# KiCad board ECB-4PIO.kicad_pcb (continued)
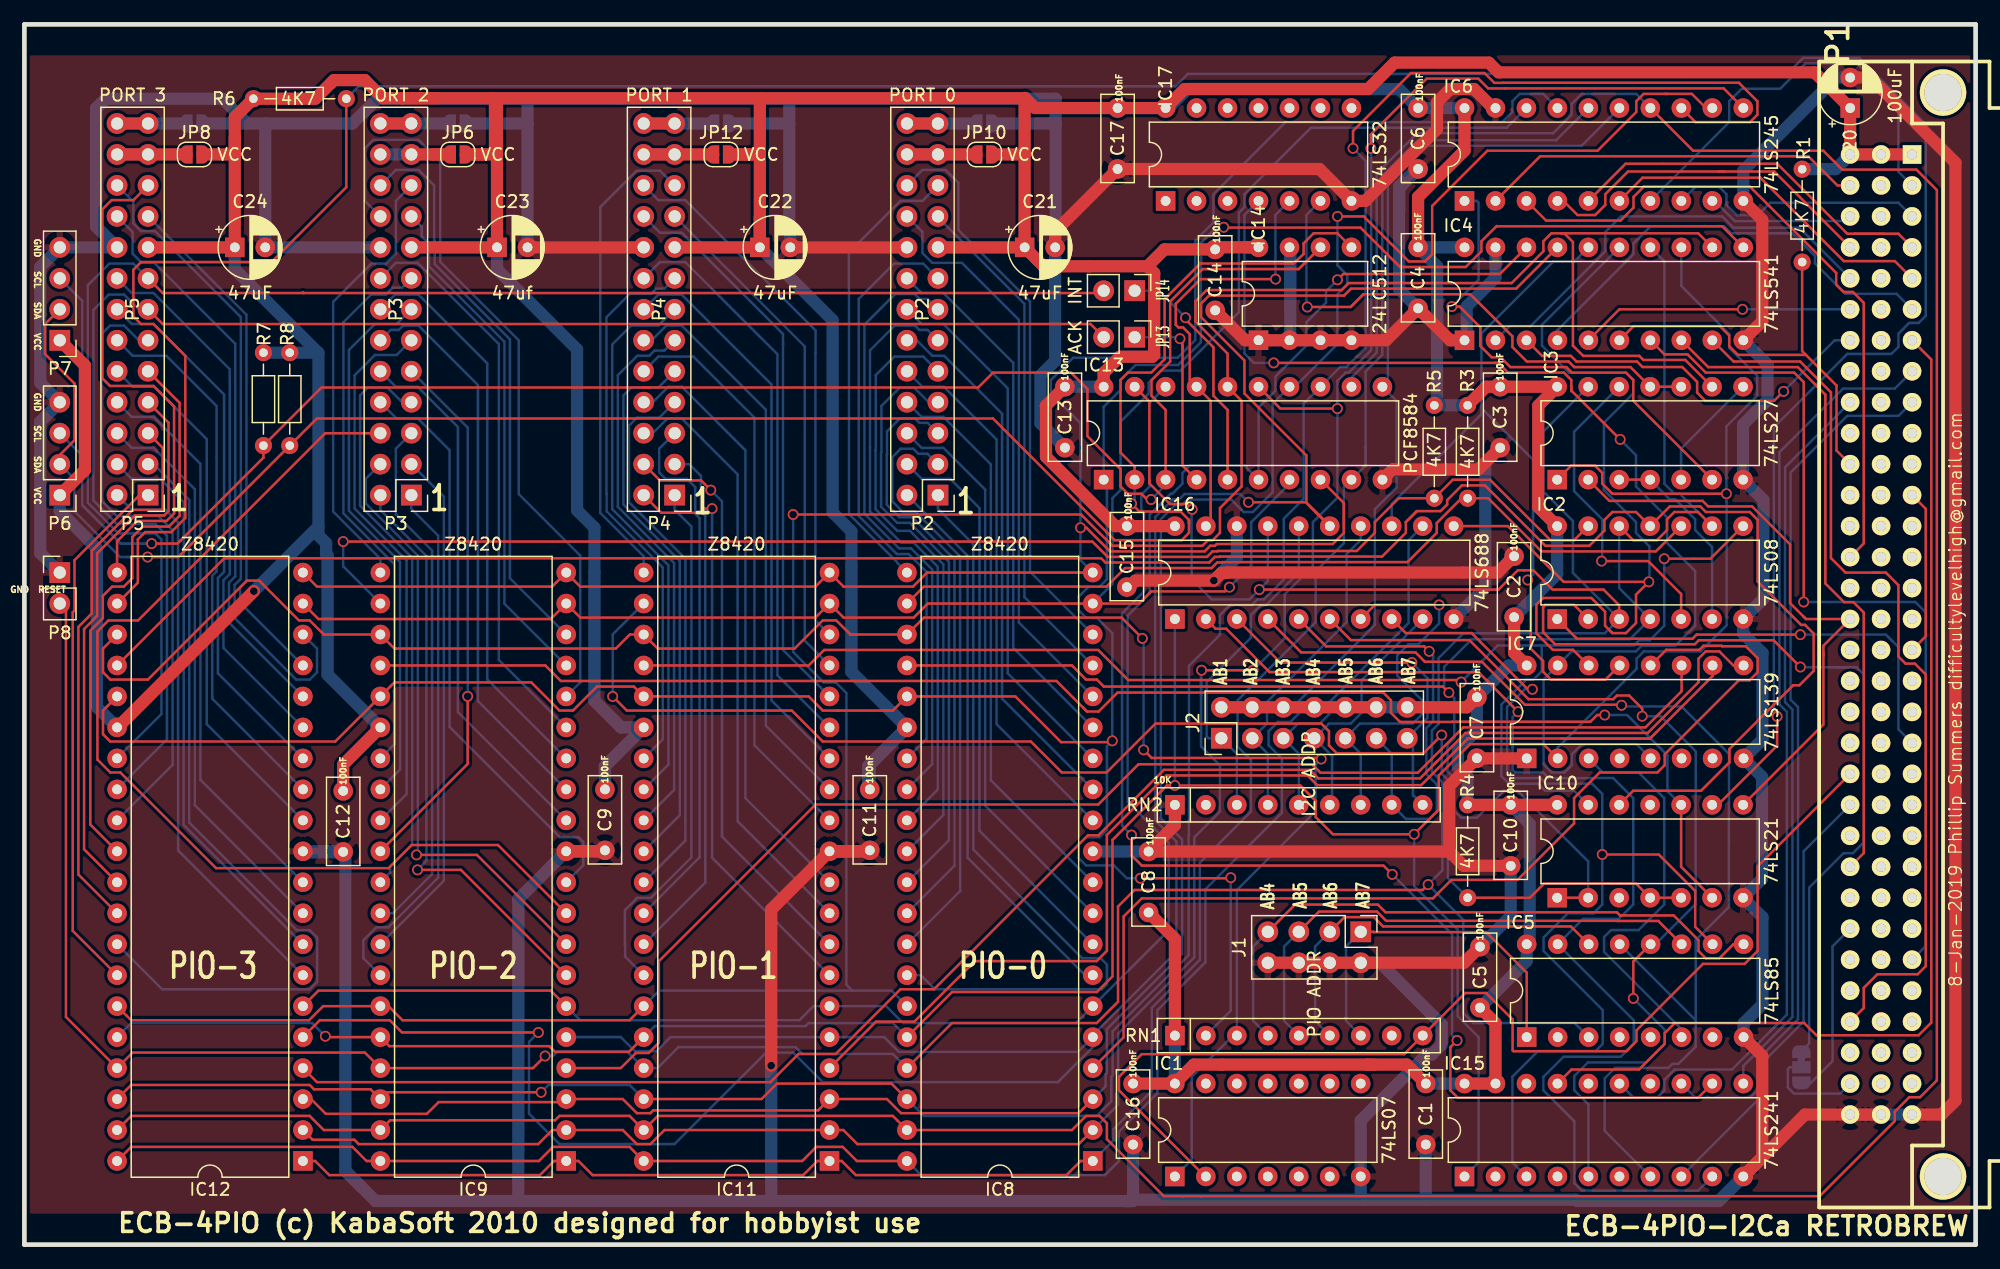
[diagram p0: board, top side]
## Routing (per net, layer and track width the routed paths; a pad name or vN(x,y) marks a point on that pad's centre or on a via; arc(x,y) is an arc through that point) (continued)
  Vorderseite w1.016: v1(18.81,53.59) 7.64,42.42 IC12.26
  Rückseite w1: C11.1 69.32,39.37 IC8.26 ; C13.1 IC13.20 ; IC6.20 C6.1 112.73,94.77 95.37,94.77 93.82,93.22 IC17.14 ; C4.1 118.09,81.79 IC4.20 ; C4.1 115.84,80.24 ; C4.1 114.29,81.79 ; C2.1 125.69,54.99 IC2.14 ; IC12.26 5.95,44.07 5.95,57.09 2.9,60.13 P6.1 ; J2.12 113.39,44.07 ; C23.1 38.76,79.99 45.32,73.42 45.32,60.22 46.74,58.8 46.74,55.12 ; 115.84,80.24 115.84,69.06 R5.1 ; 115.84,80.24 115.84,75.47 ; 94.09,16.89 RN1.1 94.34,17.14 IC1.14 ; IC7.16 121.71,47.5 C7.1 119.11,42.19 117.55,40.64 117.55,39.15 118.34,38.36 R4.1 ; 24.74,56.64 24.74,57.53 24.11,58.17 24.11,58.89 ; C24.1 17.25,79.99 24.11,73.13 ; 24.11,58.89 24.11,73.13 ; 24.11,58.89 20.68,55.46 ; 24.11,73.13 24.09,73.15 R7.1 ; R5.1 R3.1 ; R5.1 115.84,69.12 ; R1.1 148.5,88.2 P1.C1 ; C5.1 123.19,23.26 IC5.16 123.43,24.88 123.43,34.51 C10.1 ; IC15.20 118.09,13.21 C1.1 ; C22.1 66.28,75.82 66.28,60.04 67.82,58.5 67.82,55.62
  Rückseite w1.016: 24.74,56.64 24.86,56.53 24.86,46.75 IC9.26 ; 20.68,55.46 v1(18.81,53.59) ; 69.19,37.34 69.19,39.24 IC8.26 67.82,46.97 67.82,55.62 ; 46.74,55.12 46.74,44.6 48.92,42.42 IC11.26 47.6,39.24 C9.1
/0A0: length 44.2
  Rückseite w0.203: P2.16 73.58,78.04 75.36,78.04 81.09,72.32 81.09,48.94 IC8.15
/0A1: length 44.2
  Rückseite w0.203: P2.14 73.58,75.5 75.36,75.5 80.63,70.23 80.63,46.86 IC8.14
/0A2: length 44.2
  Rückseite w0.203: IC8.13 80.17,44.78 80.17,68.15 75.42,72.9 74.45,72.9 73.18,74.17 P2.12
/0A3: length 44.2
  Rückseite w0.203: IC8.12 79.71,42.69 79.71,66.03 75.39,70.36 73.64,70.36 P2.10
/0A4: length 46.7
  Rückseite w0.203: IC8.10 79.25,38.08 79.25,63.99 75.36,67.88 73.58,67.88 P2.8
/0A5: length 46.7
  Rückseite w0.203: P2.6 73.58,65.34 75.36,65.34 78.79,61.92 78.79,36 IC8.9
/0A6: length 47.1
  Rückseite w0.203: IC8.8 78.32,33.93 78.32,60.4 75.92,62.8 73.58,62.8 P2.4
/0A7: length 46.1
  Rückseite w0.203: P2.2 77.35,56.49 77.35,31.73 86.97,22.1 IC8.7
/0ARDY: length 46.8
  Rückseite w0.203: P2.22 73.64,88.14 75.55,88.14 76.59,87.09 76.59,83.21 82.46,77.35 82.46,55.19 IC8.18
/0ASTB: length 47.1
  Rückseite w0.203: IC8.16 81.54,51.03 81.54,75.86 76.88,80.52 74.44,80.52 73.64,81.32 73.64,83.06 P2.20
/0B0: length 49.4
  Rückseite w0.203: IC8.27 73.98,41.49 73.98,55.17 72.52,56.63 71.54,56.63 68.41,59.76 68.41,77.56 71.3,80.45 73.7,80.45 P2.15
/0B1: length 49.4
  Rückseite w0.203: IC8.28 74.44,39.41 74.44,55.37 72.71,57.1 71.72,57.1 68.88,59.94 68.88,75.44 71.41,77.97 73,77.97 73.41,77.56 74.06,77.56 P2.13
/0B2: length 49.4
  Rückseite w0.203: P2.11 74.06,75.02 73.39,75.02 73.03,75.37 71.37,75.37 69.34,73.35 69.34,65.35 69.34,65.34 69.34,60.13 71.9,57.57 72.92,57.57 74.9,55.59 74.9,37.33 IC8.29
/0B3: length 49.4
  Rückseite w0.203: P2.9 73.7,72.83 71.34,72.83 69.81,71.3 69.81,65.17 69.79,65.15 69.79,60.32 71.57,58.54 72.61,58.54 75.35,55.8 75.35,35.24 IC8.30
/0B4: length 49.2
  Rückseite w0.203: IC8.31 75.81,33.16 75.81,56 72.61,59.2 71.56,59.2 70.25,60.51 70.25,64.97 70.27,64.99 70.27,68.77 71.79,70.29 72.95,70.29 74.15,69.09 P2.7
/0B5: length 49.2
  Rückseite w0.203: IC8.32 76.27,31.08 76.27,56.2 72.82,59.65 71.75,59.65 70.71,60.7 70.71,64.78 70.74,64.81 70.74,66.7 71.79,67.75 73.03,67.75 73.39,67.4 74.06,67.4 P2.5
/0B6: length 49.2
  Rückseite w0.203: IC8.33 76.73,28.99 76.73,56.45 73.06,60.11 72.02,60.11 71.16,60.96 71.16,64.59 71.86,65.28 72.89,65.28 73.31,64.86 74.06,64.86 P2.3
/0B7: length 63.8
  Rückseite w0.203: P2.1 74.91,60.34 77.81,57.44 77.81,32.4 86.73,23.48 88.26,23.48 88.77,22.97 88.77,21.36 88.35,20.94 74.66,20.94 73.5,22.1 IC8.34
/0BRDY: length 37.8
  Rückseite w0.203: P2.21 73.64,85.6 71.84,85.6 67.62,81.38 67.62,59.91 71.57,55.96 71.57,55.92 IC8.21
/0BSTB: length 42.1
  Rückseite w0.203: IC8.17 82,53.11 82,77.16 74.91,84.25 P2.19
/1A0: length 47
  Rückseite w0.203: P4.16 52.11,80.58 54.19,80.58 61.75,73.03 61.75,46.69 IC11.15
/1A1: length 46.7
  Rückseite w0.203: IC11.14 61.26,44.64 61.26,70.55 53.9,77.91 51.99,77.91 P4.14
/1A2: length 46.7
  Rückseite w0.203: P4.12 51.43,74.17 52.63,75.37 53.9,75.37 60.8,68.47 60.8,42.56 IC11.13
/1A3: length 47.2
  Rückseite w0.203: IC11.12 59.87,40.95 59.87,67.82 54.85,72.83 51.99,72.83 P4.10
/1A4: length 49.3
  Rückseite w0.203: IC11.10 59.12,36.61 59.12,65.15 53.92,70.36 52.81,70.36 51.54,69.09 P4.8
/1A5: length 49.2
  Rückseite w0.203: IC11.9 58.49,34.71 58.49,63.17 53.9,67.75 52.73,67.75 51.53,66.55 P4.6
/1A6: length 47.7
  Vorderseite w0.203: v1(56.28,61.88) 55.49,62.67 52.11,62.67 P4.4
  Rückseite w0.203: v1(56.28,61.88) 57.2,60.96 57.2,33.45 IC11.8
/1A7: length 48.6
  Vorderseite w0.203: P4.2 52.23,60.02 55.42,60.02 55.76,60.36 v1(56.39,60.36)
  Rückseite w0.203: IC11.7 56.39,31.73 v1(56.39,60.36)
/1ARDY: length 44.4
  Rückseite w0.203: P4.22 51.99,85.66 54.19,85.66 64.88,74.98 64.88,73.15 64.86,73.14 64.86,51.19 IC11.18
/1ASTB: length 46.8
  Rückseite w0.203: 62.21,73.79 62.21,73.9 ; 62.21,73.79 62.21,48.77 IC11.16 ; 62.21,73.79 62.21,74.68 53.9,82.99 52.11,82.99 P4.20
/1B0: length 45.7
  Rückseite w0.203: P4.15 52.47,78.4 51.81,78.4 51.39,77.98 49.65,77.98 47.73,76.06 47.73,61.6 47.75,61.58 47.75,60.13 52.35,55.53 52.35,41.45 IC11.27
/1B1: length 45.5
  Rückseite w0.203: IC11.28 52.81,39.37 52.81,55.71 48.2,60.32 48.2,73.82 49.76,75.37 51.99,75.37 P4.13
/1B2: length 45.3
  Rückseite w0.203: IC11.29 53.28,37.29 53.28,55.89 48.66,60.51 48.66,71.3 50.26,72.9 51.25,72.9 51.67,73.32 52.47,73.32 P4.11
/1B3: length 45.6
  Rückseite w0.203: P4.9 51.99,70.29 49.77,70.29 49.12,69.65 49.12,60.7 53.74,56.08 53.74,35.22 IC11.30
/1B4: length 46.3
  Rückseite w0.203: 50.78,59.68 54.21,56.26 54.21,33.14 IC11.31 ; 50.78,59.68 49.57,60.89 49.57,67.16 50.23,67.82 52.05,67.82 P4.7 ; 50.78,59.68 50.12,60.34
/1B5: length 44.2
  Rückseite w0.203: IC11.32 55.37,31.77 55.37,59.57 55.01,59.92 55.01,62.12 54.33,62.8 52.58,62.8 52.05,63.33 52.05,65.28 P4.5
/1B6: length 43.2
  Rückseite w0.203: P4.3 54.52,64.01 55.48,63.05 55.48,60.12 55.83,59.76 55.83,29.69 IC11.33
/1B7: length 43.5
  Rückseite w0.203: IC11.34 49.26,23.62 49.26,24.63 49.24,24.64 49.24,27.43 50.26,28.45 51.39,28.45 54.69,31.76 54.69,58.9 53.32,60.27 P4.1
/1BRDY: length 39.3
  Rückseite w0.203: P4.21 52.11,88.07 50.2,88.07 47.22,85.1 47.22,60.01 50.78,56.45 IC11.21
/1BSTB: length 42.1
  Rückseite w0.203: P4.19 63.99,73.66 63.99,49.53 IC11.17
/2A0: length 46.7
  Rückseite w0.203: IC9.15 38.9,47.95 38.9,73.86 32.24,80.52 30.46,80.52 P3.16
/2A1: length 46.7
  Rückseite w0.203: P3.14 30.4,77.91 32.31,77.91 37.96,72.26 37.96,46.35 IC9.14
/2A2: length 46.7
  Rückseite w0.203: IC9.13 37.19,44.58 37.19,70.49 32.31,75.37 31.06,75.37 30.7,75.02 30.04,75.02 P3.12
/2A3: length 44.2
  Rückseite w0.203: IC9.12 35.55,43.68 35.55,67.05 32.24,70.36 30.46,70.36 P3.10
/2A4: length 48.8
  Rückseite w0.203: IC9.10 45.83,31.12 45.83,33.02 45.43,33.41 43.91,33.41 34.87,42.46 34.87,65.16 32.27,67.75 30.52,67.75 P3.8
/2A5: length 85.7
  Vorderseite w0.203: IC9.9 38.84,32.77 31.76,32.77 29.86,30.87 15.72,30.87 7.87,38.72 7.05,38.72 5.99,39.78 5.99,50.28 6.9,51.19 9.32,51.19 24.67,66.55 P3.6
/2A6: length 49.7
  Vorderseite w0.203: IC9.8 37.1,31.96 v1(32.15,31.96)
  Rückseite w0.203: P3.4 27.98,62.8 27.98,60.79 32.27,56.51 32.27,32.08 v1(32.15,31.96)
/2A7: length 48.4
  Vorderseite w0.203: IC9.7 35.79,30.73 v1(32.24,30.73)
  Rückseite w0.203: P3.2 29.19,60.25 32.96,56.48 32.96,31.46 v1(32.24,30.73)
/2ARDY: length 46.8
  Rückseite w0.203: IC9.18 39.82,54.65 39.82,74.24 33.64,80.41 33.64,82.28 33.6,82.32 33.6,86.87 32.33,88.14 30.46,88.14 P3.22
/2ASTB: length 62.4
  Rückseite w0.203: IC9.16 45.59,46.11 45.59,56.5 40.53,61.55 40.53,74.17 34.1,80.6 34.1,88.82 32.31,90.61 28.61,90.61 27.93,89.93 27.93,85.59 P3.20
/2B0: length 45
  Rückseite w0.203: P3.15 30.97,78.49 30.21,78.49 29.64,77.91 28.43,77.91 26.16,75.64 26.16,59.98 30.35,55.79 30.35,41.03 IC9.27
/2B1: length 44.9
  Rückseite w0.203: IC9.28 30.8,38.95 30.8,55.99 26.61,60.18 26.61,73.38 28.74,75.5 30.52,75.5 P3.13
/2B2: length 45
  Rückseite w0.203: IC9.29 31.34,36.94 31.34,56.12 27.07,60.39 27.07,71.29 28.74,72.96 30.52,72.96 P3.11
/2B3: length 44.2
  Vorderseite w0.203: v1(36.35,44.97) 36.35,39.42 IC9.30
  Rückseite w0.203: P3.9 36.35,67.01 v1(36.35,44.97)
/2B4: length 47.8
  Rückseite w0.203: P3.7 30.97,69.09 29.77,70.29 28.17,70.29 27.53,69.66 27.53,60.6 31.8,56.33 31.8,32.81 29.99,31 29.99,30.52 IC9.31
/2B5: length 43.5
  Rückseite w0.203: P3.5 30.46,65.28 30.46,59.9 33.43,56.93 33.43,30.39 30.22,27.18 IC9.32
/2B6: length 42.6
  Rückseite w0.203: P3.3 34.39,61.34 34.39,29.84 IC9.33
/2B7: length 44
  Rückseite w0.203: IC9.34 27.79,23.5 27.79,24.95 28.86,26.02 29.86,26.02 33.93,30.1 33.93,58.14 31.73,60.34 P3.1
/2BRDY: length 36.7
  Rückseite w0.203: P3.21 30.46,85.6 30.46,81.27 29.64,80.45 28.46,80.45 25.32,77.32 25.32,60.12 29.19,56.25 IC9.21
/2BSTB: length 42.1
  Rückseite w0.203: P3.19 32.58,83.48 32.58,82.69 33.19,82.09 33.19,80.22 39.36,74.05 39.36,52.57 IC9.17
/3A0: length 44.6
  Rückseite w0.203: IC12.15 16.32,48.93 16.32,54.49 16.83,54.99 16.83,71.8 10.59,78.04 8.81,78.04 P5.16
/3A1: length 44.6
  Rückseite w0.203: P5.14 8.81,75.5 10.59,75.5 16.38,69.72 16.38,55.18 15.87,54.67 15.87,46.85 IC12.14
/3A2: length 45.1
  Rückseite w0.203: P5.12 8.87,72.9 11.64,72.9 15.75,68.78 15.75,55.21 15.41,54.86 15.41,44.77 IC12.13
/3A3: length 44.2
  Rückseite w0.203: P5.10 8.87,70.36 10.65,70.36 14.95,66.06 14.95,42.68 IC12.12
/3A4: length 46.7
  Rückseite w0.203: IC12.10 14.43,38.13 14.43,64.04 10.59,67.88 8.81,67.88 P5.8
/3A5: length 46.7
  Rückseite w0.203: P5.6 8.81,65.34 10.59,65.34 13.98,61.96 13.98,36.04 IC12.9
/3A6: length 47.1
  Rückseite w0.203: P5.4 8.81,62.8 11.15,62.8 13.06,60.89 13.06,34.42 IC12.8
/3A7: length 47.3
  Rückseite w0.203: P5.2 8.81,60.26 11.57,60.26 12.6,59.23 12.6,32.33 IC12.7
/3ARDY: length 53.2
  Rückseite w0.203: IC12.18 24,48.88 24,46.94 23.39,46.34 22.29,46.34 17.24,51.39 17.24,54.11 17.75,54.61 17.75,76.07 10.7,83.12 9.56,83.12 8.93,83.75 8.93,85.53 P5.22
/3ASTB: length 46.7
  Rückseite w0.203: P5.20 8.87,83.06 8.87,81.27 9.62,80.52 10.65,80.52 17.29,73.88 17.29,54.8 16.78,54.3 16.78,51.02 IC12.16
/3B0: length 129.8
  Vorderseite w0.203: 22.9,78.04 88.31,78.04 88.5,78.23 ; 22.9,78.04 22.84,78.11 ; 22.9,78.04 11.35,78.04 P5.15
  Rückseite w0.203: IC12.27 11.23,43.51 11.23,57.83 10.74,58.33 7.71,58.33 5.2,60.84 5.2,78.69 6.96,80.45 8.93,80.45 P5.15
/3B1: length 130.2
  Vorderseite w0.203: P5.13 11.35,75.5 87.42,75.5 88.5,74.42
  Rückseite w0.203: P5.13 9.39,76.71 8.18,77.91 6.91,77.91 5.66,76.66 5.66,61.03 7.59,59.1 10.73,59.1 11.69,58.14 11.69,41.43 IC12.28
/3B2: length 50.8
  Rückseite w0.203: P5.11 9.38,74.17 8.18,75.37 7.02,75.37 6.33,74.68 6.33,61.01 7.57,59.76 10.97,59.76 12.15,58.58 12.15,39.34 IC12.29
/3B3: length 46.2
  Vorderseite w0.203: IC12.30 5.41,34.45 5.41,50.35 6.43,51.37 6.43,53.2 7.19,53.96 8.15,53.96 8.85,54.65 8.85,58.03 9.71,58.89 11.84,58.89 12.73,59.78 12.73,69.04 P5.9
/3B4: length 45.4
  Vorderseite w0.203: P5.7 11.82,67.41 11.82,60.16 11.46,59.81 9.08,59.81 5.97,56.7 5.97,51.56 4.89,50.48 4.89,32.42 IC12.31
/3B5: length 45.4
  Vorderseite w0.203: IC12.32 4.43,30.35 4.43,50.67 5.52,51.75 5.52,56.89 8.89,60.26 11.27,60.26 11.35,60.33 11.35,65.34 P5.5
/3B6: length 67.3
  Rückseite w0.203: IC12.33 11.3,20.94 23.39,20.94 24,21.54 24,25.19 23.39,25.79 22.33,25.79 13.52,34.61 13.52,61.08 10.59,64.01 P5.3
/3B7: length 43.8
  Vorderseite w0.203: IC12.34 3.97,25.73 3.97,51.86 4.11,52 4.11,56.13 9.45,61.47 P5.1
/3BRDY: length 42.2
  Vorderseite w0.203: IC12.21 7.6,57.68 9.27,59.35 11.65,59.35 12.27,59.97 12.27,68.74 10.59,70.42 7.02,70.42 6.39,71.05 6.39,84.91 7.15,85.66 8.93,85.66 P5.21
/3BSTB: length 42.5
  Rückseite w0.203: P5.19 18.2,76.26 18.2,54.43 17.7,53.92 17.7,52.64 IC12.17
//CE-PIO0: length 86.7
  Vorderseite w0.203: 133.66,47.81 133.85,47.81 ; IC8.4 90.14,17.01 90.14,26.91 91.63,28.4 115.5,28.4 117.01,29.91 122.43,29.91 127.07,34.55 127.07,36.62 129.17,38.72 133.9,38.72 134.51,39.32 134.51,40.2 140.59,46.28 141.47,46.28 142.13,46.94 142.13,48.1 141.15,49.07 139.21,49.07 139.17,49.11 137.69,49.11 137.36,48.78 134.63,48.78 IC7.12
//CE-PIO1: length 110.9
  Vorderseite w0.203: IC9.4 48.9,14.48 50.15,15.72 51.19,15.72 52.02,16.55 52.02,23.24 64.88,36.09 88.06,36.09 91.36,39.4 105.59,39.4 106.29,38.7 114.26,38.7 117.98,42.42 132.93,42.42 135.89,45.38 IC7.11
//CE-PIO2: length 100.8
  Vorderseite w0.203: 133.81,42.01 133.29,41.49 126.07,41.49 126.05,41.51 ; 133.81,42.01 138.43,46.63 IC7.10 ; 133.81,42.01 133.31,41.51 118.36,41.51 114.54,37.68 106.01,37.68 105.21,38.48 93.65,38.48 88.77,33.6 88.77,24.09 87.93,23.25 77.94,23.25 72.98,18.29 69.83,18.29 IC11.4
//I/O-DECODE: length 98
  Vorderseite w0.203: 126.85,70.43 126.85,70.91 126.24,71.51 121.66,71.51 120.86,72.31 120.62,72.31 ; 126.85,70.43 126.85,70.05 v1(130.85,66.04) ; 126.85,70.43 126.85,69.99 ; v1(102.44,72.31) 120.62,72.31 ; 120.62,72.31 120.77,72.31
  Rückseite w0.203: v1(102.44,72.31) 100.82,72.31 100.04,73.09 100.04,84.44 IC17.4 ; v1(130.85,66.04) 132.15,64.74 132.15,62.45 ; IC7.5 132.19,41.03 127.72,41.03 126.89,40.2 126.89,39.32 126.28,38.72 125.24,38.72 124.57,39.39 124.57,46.34 IC7.15 126.89,48.65 132.15,48.65 132.61,49.11 135.36,49.11 137.01,50.75 137.01,55.24 134.69,57.55 134.69,59.64 132.15,62.18 132.15,62.45 ; 132.15,62.45 132.15,62.58
//IORQ: length 258.2
  Vorderseite w0.203: IC8.36 76.07,20.71 87.94,20.71 89.22,22 89.22,33.19 93.26,37.22 ; IC3.1 126.85,63.89 128.78,63.89 129.39,63.29 129.39,62.41 130.22,61.58 v1(139.57,61.58) ; 93.26,37.22 93.13,37.09 ; 93.26,37.22 93.69,37.66 v1(94.34,37.66) 104.62,37.66 105.89,36.39 105.89,35.06 107.29,33.66 v1(113.96,33.66) 115.98,35.68 115.98,38.48 118.55,41.05 124.56,41.05 IC7.2 ; v1(24.68,17.09) 24.75,17.02 IC9.36 29.93,16.28 43.04,16.28 43.51,15.81 49.57,15.81 IC11.36
  Rückseite w0.203: IC7.2 125.73,40.76 132.19,47.22 132.19,48.05 132.8,48.65 137.45,48.65 139.59,50.79 139.59,60.93 139.57,60.95 139.57,67.1 142.09,69.62 142.09,71.25 139.79,73.55 139.79,74.69 135.87,78.61 IC4.13 ; IC8.36 71.21,18.17 64.31,18.17 64.06,17.92 51.69,17.92 IC11.36 ; v1(94.34,37.66) IC16.1 ; IC12.36 8.76,18.17 23.59,18.17 v1(24.68,17.09) ; IC15.1 119.25,6.74 119.25,17.02 117.53,18.73 117.53,25.84 113.96,29.4 v1(113.96,33.66)
//M1-PIO: length 307.1
  Vorderseite w0.203: v1(95.76,60.3) 95.31,60.74 93.93,60.74 92.25,62.43 92.25,62.67 ; 92.25,62.67 92.25,62.55 ; 92.25,62.67 92.25,69.15 IC13.19 ; v1(115.11,29.53) 114.66,29.08 91.03,29.08 89.68,27.74 89.68,19.92 87.94,18.17 76.07,18.17 IC8.37 ; IC2.3 130.77,52.44 129.49,53.72 125.32,53.72 123.73,55.31 122.97,55.31 122.96,55.3 122.46,55.3 120.88,53.72 v1(101.26,53.72) ; v1(42.7,15.47) 41.71,14.48 IC9.37 27.92,15.75 8.87,15.75 IC12.37 3.41,18.67 3.41,52.07 P8.2
  Rückseite w0.203: IC5.3 127.11,18.17 118.82,18.17 117.99,19.01 117.99,26.65 v1(115.11,29.53) 116.27,30.7 116.27,37.92 115.42,38.78 115.42,42.17 115.97,42.72 115.97,48.11 118,50.14 129.6,50.14 IC2.3 126.98,55.1 126.98,59.35 124.75,61.58 124.61,61.58 124.53,61.65 124.53,66.66 IC3.13 ; v1(42.7,15.47) 43.33,15.47 43.72,15.86 49.4,15.86 IC11.37 51.91,14.48 53.64,16.21 63.23,16.21 63.8,15.63 71.21,15.63 IC8.37 ; v1(95.76,60.3) 95.71,60.25 95.71,54.56 97.35,52.92 100.46,52.92 v1(101.26,53.72) 101.96,54.42 IC16.17
//RD: length 235.4
  Vorderseite w0.203: IC12.35 8.76,18.4 23.34,18.4 24.5,19.56 IC9.35 29.85,19.56 31.01,18.4 49.62,18.4 IC11.35 ; IC3.9 138.39,70.36 136.19,72.56 132.76,72.56 132.43,72.89 127.82,72.89 126.98,73.73 126.98,82.23 126.26,82.94 126.01,82.94 ; v1(63.04,59.88) 86.64,59.88 89.21,57.32 96.59,57.32 97.05,57.77 97.44,57.77 98.04,58.37 98.04,60.41 99.81,62.18 99.81,69.2 IC13.16 98.66,73.08 96.03,75.71 96.03,77.37 96.95,78.29 108.02,78.29 108.59,78.86 121.95,78.86 124.55,81.46 124.55,82.28 125.21,82.94 126.01,82.94 ; IC4.12 137.25,82.94 126.01,82.94
  Rückseite w0.203: 67.89,20.83 52.05,20.83 IC11.35 ; 67.89,20.83 71.1,20.83 IC8.35 ; 67.89,20.83 67.4,21.32 67.4,45.23 66.52,46.11 65.53,46.11 63.04,48.61 v1(63.04,59.88)
/AB0: length 160.2
  Vorderseite w0.203: v1(107.67,79.13) 108.15,79.6 120.99,79.6 IC4.18 ; IC9.6 43.16,20.83 24.11,20.83 IC12.6
  Rückseite w0.203: IC9.6 45.59,18.4 63.55,18.4 64.7,19.56 IC11.6 70.66,19.56 72.04,18.17 86.23,18.17 IC8.6 93.83,25.78 93.83,32.95 90.47,36.31 90.47,51.59 92.27,53.39 92.27,59.86 93.99,61.58 94.13,61.58 94.96,62.41 94.96,63.29 95.56,63.89 100.04,63.89 IC13.6 101.2,68.65 102.58,70.03 102.58,71.19 105.12,73.73 105.12,75.64 106.74,77.25 106.74,78.19 v1(107.67,79.13)
/AB1: length 246.6
  Vorderseite w0.203: IC4.17 122.33,78.4 108.78,78.4 108.2,77.83 97.14,77.83 96.49,77.18 96.49,76.07 100.04,72.51 100.04,69.8 105.12,64.72 105.12,60.85 IC16.15 ; IC16.15 105.69,60.27 ; IC16.15 105.09,60.88 v1(100.37,60.88) ; IC16.15 105.35,60.62 ; IC12.5 24.24,18.42 24.25,18.4 29.96,18.4 30.97,17.4 v1(42.14,17.4)
  Rückseite w0.203: 88.31,17.09 88.31,16.89 84.74,13.32 65.47,13.32 63.04,15.75 60.81,15.75 53.31,8.24 43.88,8.24 41.38,10.74 41.38,16.64 v1(42.14,17.4) ; v1(100.37,60.88) 99.7,61.56 95.13,61.56 94.7,61.13 94.18,61.13 92.73,59.67 92.73,34.79 94.47,33.05 94.47,24.03 87.61,17.17 IC8.5 86.39,15.8 71.71,15.8 70.49,17.02 IC11.5 52.99,17.02 51.84,15.86 50.06,15.86 48.9,17.02 IC9.5
/AB2: length 64
  Vorderseite w0.203: v1(123.27,54.51) 123.53,54.25 123.53,48.87 124.53,47.86 124.53,46.98 125.18,46.34 129.65,46.34 IC7.13
  Rückseite w0.203: 119.44,68.06 118.8,67.42 ; 118.8,67.42 112.12,60.74 IC16.13 ; 118.8,67.42 119.47,68.1 119.47,68.6 ; 121.08,67 123.71,64.37 123.71,54.95 v1(123.27,54.51) ; 121.08,67 119.47,68.6 ; 121.08,67 120.02,68.06 ; 119.47,68.6 119.47,74.72 125.38,80.63 127.09,80.63 IC4.16
/AB3: length 79.5
  Vorderseite w0.203: 128.25,47.11 128.25,47.5 ; IC16.11 121.65,58.93 126.22,54.36 v1(133.2,54.36) 132.15,53.31 132.15,50.98 131.32,50.15 130.22,50.15 130.05,50.32 ; 130.05,50.32 130.18,50.19 ; 130.05,50.32 129.61,50.75 129.61,51.91 128.49,53.04 124.53,53.04 123.98,52.49 123.98,50.13 125.33,48.78 126.99,48.78 IC7.14
  Rückseite w0.203: IC4.15 124.44,75.44 124.44,73.73 126.65,71.51 131.34,71.51 131.93,70.93 131.93,69.8 129.52,67.4 129.52,61.89 ; v1(133.2,54.36) 133.25,54.4 133.25,57.28 132.15,58.37 132.15,59.25 129.52,61.89 ; 129.52,61.89 129.52,62.28
/AB4: length 87.8
  Vorderseite w0.203: v1(129.39,32) 134.01,32 137.01,29 137.01,26.06 IC5.10 ; v1(123.66,45.55) 123.28,45.55 118.67,50.15 113.28,50.15 IC16.8
  Rückseite w0.203: v1(123.66,45.55) 123.03,45.55 121.58,44.1 121.58,38.6 121.92,38.26 124.32,38.26 124.77,37.81 128.54,37.81 129.39,36.96 129.39,27.89 128.67,27.18 126.56,27.18 124.57,25.19 124.57,24.08 129.43,19.23 129.43,16.46 128.82,15.86 124.11,15.86 122.01,13.77 122.01,6.74 IC15.3 ; 128.25,27.18 128.69,27.18
/AB5: length 79.8
  Vorderseite w0.203: IC5.12 131.93,23.22 v1(131.93,20.19) ; v1(132.66,43.34) 132.66,43.97 131.59,45.03 130.59,45.03 130.29,44.74 123.33,44.74 118.49,49.58 108.77,49.58 IC16.6
  Rückseite w0.203: v1(131.93,20.19) 134.51,17.62 134.51,16.46 132.99,14.95 128.21,14.95 127.09,13.83 127.09,12.65 128.25,11.5 IC15.5 ; v1(132.66,43.34) 134.17,43.34 137.05,40.46 137.05,27.93 133.75,24.64 IC5.12
/AB6: length 94.5
  Vorderseite w0.203: v1(130.97,44.23) 130.93,44.28 123.04,44.28 119.51,47.8 114.84,47.8 114.07,48.57 104.7,48.57 IC16.4
  Rückseite w0.203: 131.11,44.07 131.18,44.14 135.88,44.14 139.77,40.24 139.77,27.69 137.05,24.96 137.05,18.4 ; 137.05,18.4 137.05,16.24 135.63,14.82 135.13,14.82 134.8,14.49 130.43,14.49 129.58,13.64 129.58,9.33 IC15.7 ; 137.05,18.4 IC5.13 ; 139.77,33.05 139.77,33.2
/AB7: length 104.1
  Vorderseite w0.203: v1(122.48,43.7) 119.25,46.94 113.39,46.94 113.37,46.95 102.1,46.95 98.55,50.51 97.68,50.51 IC16.2
  Rückseite w0.203: 122.03,40.71 122.03,42.92 ; 122.03,40.71 122.03,43.26 v1(122.48,43.7) ; 122.03,40.71 122.03,38.93 122.25,38.72 124.53,38.72 124.99,38.27 130.28,38.27 131.93,36.62 131.93,27.89 130.75,26.72 127.81,26.72 IC5.15 131.97,18.4 131.97,16.46 130.91,15.41 126.2,15.41 124.55,13.76 124.55,12.65 127.09,10.11 127.09,5.03 127.7,4.43 137.25,4.43 IC15.9
/B_/BAI: length 13.6
  Vorderseite w0.203: P1.A17 155.91,49.89 155.91,60.35 P1.A12
/B_/INT: length 91.4
  Vorderseite w0.203: P1.C21 142.13,31.02 142.13,24.08 141.07,23.03 137.65,23.03 132.19,17.57 132.19,16.69 131.36,15.86 122.11,15.86 122.03,15.93 122.03,18.47 119.87,20.63 118.15,20.63 RN1.9 113.13,15.62 91.61,15.62 89.76,13.76 89.76,12.65 96.82,5.59 IC1.2
/B_/IORQ: length 71.8
  Vorderseite w0.203: v1(145.9,52.71) 145.9,70.74 145.13,71.51 137.88,71.51 136.38,73.01 134.49,73.01 IC4.7
  Rückseite w0.203: 155.91,44.22 155.91,43.79 ; 155.91,43.79 155.91,24.49 P1.A27 ; 155.91,43.79 155.91,51.84 155.05,52.71 v1(145.9,52.71)
/B_/M1: length 38.3
  Vorderseite w0.203: 127.22,49.77 127.3,49.7 136.79,49.7 137.12,50.03 144.14,50.03 ; 127.22,49.77 IC2.1 ; 127.22,49.77 127.26,49.73 ; 144.14,50.03 v1(145.63,50.03) ; 144.14,50.03 144.28,50.03
  Rückseite w0.203: 153.21,49.47 153.67,49 153.67,42.27 P1.A20 ; 153.21,49.47 152.65,50.03 v1(145.63,50.03) ; 153.21,49.47 152.79,49.89
/B_/PWCLR: length 14.8
  Rückseite w0.203: JP2.3 146.46,13.24 148.27,15.05 148.27,24.46 P1.C26
/B_/RD: length 54.6
  Vorderseite w0.203: P1.C24 150.83,32.11 150.83,51.84 149.98,52.69 149.21,52.69 147.68,54.23 147.68,69.71 145.42,71.97 138.07,71.97 IC4.8
/B_/RESET: length 78.6
  Vorderseite w0.203: v1(145.63,47.37) 143.43,49.57 137.31,49.57 136.97,49.24 125.52,49.24 124.53,50.22 124.53,52.29 124.71,52.46 127.07,52.46 IC2.2
  Rückseite w0.203: 149.56,47.35 150.25,47.35 150.83,46.76 150.83,32.99 149.94,32.11 149.17,32.11 146.35,29.28 146.35,16.48 JP2.1 JP2.2 144.76,14.54 144.61,14.39 144.61,12.89 145.11,12.39 148.89,12.39 P1.C31 ; 149.56,47.35 148.41,47.35 ; 149.56,47.35 145.65,47.35 v1(145.63,47.37)
/B_AB0: length 36.3
  Rückseite w0.203: IC4.2 121.79,75.32 123.5,75.32 129.63,81.46 129.63,83.05 130.92,84.33 139.22,84.33 140.14,83.4 145.56,83.4 P1.C5
/B_AB1: length 31.3
  Vorderseite w0.203: IC4.3 124.45,72.89 126.81,72.89 127.27,72.43 132.24,72.43 132.69,71.97 135.94,71.97 137.16,70.75 137.16,69.87 137.84,69.2 143.48,69.2 v1(144.25,69.98)
  Rückseite w0.203: 148.44,74.17 v1(144.25,69.98) ; 148.44,74.17 148.57,74.17 ; 148.44,74.17 P1.C7
/B_AB2: length 39.4
  Rückseite w0.203: IC4.4 125.71,75 131.95,81.23 131.95,82.11 ; P1.A6 153.52,77.98 149.33,77.98 146.83,80.47 146.83,81.09 144.98,82.94 139.95,82.94 139.38,83.52 135.77,83.52 ; 135.77,83.52 136.71,83.52 ; 135.77,83.52 133.35,83.52 131.95,82.11 ; 131.95,82.11 132.86,83.02
/B_AB3: length 22.5
  Vorderseite w0.203: v1(140.89,76.71) 130.79,76.71 IC4.5
  Rückseite w0.203: P1.C6 v1(140.89,76.71)
/B_AB4: length 90.7
  Vorderseite w0.203: IC15.17 126.87,14.36 132.4,14.36 134.51,16.46 134.51,17.34 135.34,18.17 145.94,18.17 146.94,17.17 155.33,17.17 156.36,18.21 156.36,72.59 P1.A7
/B_AB5: length 80
  Rückseite w0.203: 141.28,15.61 140.02,14.36 135.32,14.36 134.49,13.53 134.49,12.65 133.88,12.05 131.95,12.05 IC15.15 ; 141.28,15.61 142.32,16.65 ; 141.28,15.61 143.18,17.52 ; 143.88,18.22 143.18,17.52 ; P1.A8 153.37,70.21 149.13,70.21 143.91,64.99 143.91,44.3 144.52,43.69 144.52,18.86 143.18,17.52
/B_AB6: length 71.6
  Rückseite w0.203: IC15.13 137.03,12.05 141.5,12.05 142.11,12.65 142.11,15.15 145.44,18.48 145.44,44.07 144.83,44.68 144.83,63.32 149.48,67.97 153.67,67.97 P1.A9
/B_AB7: length 60
  Rückseite w0.203: P1.C9 144.37,63.75 144.37,44.49 144.98,43.88 144.98,18.67 140.95,14.64 IC15.11
/B_DB0: length 31.6
  Vorderseite w0.203: P1.C2 148.67,86.87 146.28,89.26 124.29,89.26 IC6.2
/B_DB1: length 55.8
  Vorderseite w0.203: IC6.3 124.78,83.99 130.89,83.99 131.95,85.04 131.95,85.92 132.79,86.77 141.49,86.77 148.57,79.69 148.57,78.74 149.17,78.13 149.94,78.13 150.83,77.24 150.83,57.51 P1.C14
/B_DB2: length 29.5
  Vorderseite w0.203: P1.C4 143.49,88.01 138.92,88.01 ; IC6.4 126.2,85.6 127.35,84.44 128.8,84.44 129.63,85.27 129.63,86.15 131.49,88.01 138.92,88.01 ; 139.41,88.01 138.92,88.01
/B_DB3: length 33.1
  Vorderseite w0.203: 152.53,82.91 150.09,82.91 ; 150.09,82.91 153.67,82.91 P1.A4 ; 150.09,82.91 149.48,82.91 143.74,88.65 131.3,88.65 IC6.5
/B_DB4: length 28.2
  Vorderseite w0.203: P1.A5 153.38,80.66 149.19,80.66 142.35,87.5 132.69,87.5 IC6.6
/B_DB5: length 34.5
  Rückseite w0.203: IC6.7 139.79,92.06 139.79,93.77 140.81,94.79 143.96,94.79 146.04,96.87 150.27,96.87 153.67,93.47 153.67,87.99 P1.A2
/B_DB6: length 21.8
  Rückseite w0.203: P1.A3 153.67,85.45 143.15,85.45 142.13,84.43 140.41,84.43 139.57,85.27 139.57,86.15 138.96,86.75 137.03,86.75 IC6.8
/B_DB7: length 12.9
  Rückseite w0.203: 149.21,83.82 149.71,84.33 P1.C3 149.33,83.95 140.24,83.95 138.59,85.6 IC6.9
/B_IEI: length 35.5
  Vorderseite w0.203: 146.09,72.97 140.51,72.97 139.79,73.68 139.79,74.56 139.03,75.32 131.95,75.32 IC4.6 ; 146.09,72.97 145.78,73.28 R1.2 ; 146.09,72.97 148.59,70.46 148.59,65.13 P1.C11
/B_IEO: length 48.6
  Vorderseite w0.203: 147.52,48.3 147.52,49.11 P1.C16 ; 147.52,48.3 147.52,42.65 IC10.8 ; 147.52,48.3 147.52,48.58 ; 145.87,51.53 146.09,51.31 P1.C16 ; 145.87,51.53 144.79,52.61 144.79,57.43 141.67,60.54 138.07,60.54 137.61,61 129.97,61 IC3.2 ; 145.87,51.53 146.01,51.39 ; P1.C16 149.6,51.42
/B_PHI: length 73.7
  Vorderseite w0.203: P1.C29 150.83,19.41 150.83,21.06 151.94,22.17 155.25,22.17 155.91,22.83 155.91,46.76 155.02,47.65 154.25,47.65 153.67,48.23 153.67,54.08 152.64,55.11 151.62,55.11 ; 152.11,55.11 151.62,55.11 ; 151.62,55.11 149.33,55.11 148.14,56.31 148.14,69.9 145.61,72.43 140.15,72.43 IC4.9
/B_~{WR}: length 36.2
  Rückseite w0.203: P1.C22 145.89,32.25 145.89,18.29 142.56,14.96 142.56,12.28 IC15.8
/DB0: length 156.1
  Vorderseite w0.203: v1(98.81,53.92) 98.47,53.58 92.4,53.58 91.4,52.58 IC8.19 74.08,52.58 72.92,51.42 67.18,51.42 IC11.19 64.86,51.42 45.59,51.42 IC9.19 43.16,51.31 24.11,51.31 IC12.19
  Rückseite w0.203: v1(98.81,53.92) 100.61,55.71 100.61,59.26 103.74,62.39 IC13.7 ; IC6.18 121.56,91.61 105.5,91.61 100.04,86.15 100.04,85.09 99.59,84.63 99.59,76.47 94.8,71.68 93.19,71.68 92.19,70.68 92.19,69.8 89.88,67.49 89.88,61.88 89.22,61.22 89.22,54.19 IC8.19
/DB1: length 173.8
  Vorderseite w0.203: IC12.20 24,53.96 43.27,53.96 IC9.20 45.59,53.96 64.86,53.96 IC11.20 67.18,53.96 72.87,53.96 74.02,55.12 IC8.20 ; 108.2,60.76 108.2,58.37 107.28,57.46 97.77,57.46 97.63,57.32 97.24,57.32 96.78,56.86 89.02,56.86 87.09,58.79 v1(86.6,58.79) ; IC13.8 108.2,60.82 108.2,58.75
  Rückseite w0.203: IC6.17 124.55,94.37 122.62,94.37 122.01,93.77 122.01,92.89 121.18,92.06 103.41,92.06 97.5,86.15 97.5,83.84 96.01,82.35 96.01,74.19 95.33,73.5 ; 95.33,73.5 94.56,72.74 85.99,72.74 84.17,70.91 84.17,69.8 86.6,67.37 v1(86.6,58.79) 86.6,56.13 IC8.20 ; 95.33,73.5 95.57,73.75
/DB2: length 180.6
  Vorderseite w0.203: IC8.1 86.61,6.86 85.45,5.7 68.18,5.7 67.02,6.86 IC11.1 65.02,6.86 63.86,5.7 46.59,5.7 45.43,6.86 IC9.1 43.43,6.86 42.27,5.7 25,5.7 23.84,6.86 IC12.1
  Rückseite w0.203: 92.45,17.26 92.45,16.82 ; 92.45,16.82 92.45,13.58 ; 92.45,16.82 92.45,19.41 96.39,23.35 96.39,31.32 100.58,35.51 100.58,39.75 99.49,40.84 99.49,44.65 105.89,51.05 105.89,55.22 108.2,57.53 108.2,62.12 IC13.9 109.97,63.89 109.97,65.42 ; 109.97,65.42 109.97,64.02 ; 109.97,65.42 109.97,71.61 111.35,72.98 111.35,87.64 114.28,90.58 125.61,90.58 IC6.16 ; 92.45,13.58 92.45,12.61 89.3,9.46 89.3,8.55 IC8.1 ; 92.45,13.58 92.45,13.99
/DB3: length 199.7
  Vorderseite w0.203: IC12.40 8.76,8.01 26.9,8.01 28.06,6.86 IC9.40 42.19,6.86 43.35,8.01 49.62,8.01 IC11.40 63.78,6.86 64.94,8.01 67.1,8.01 68.26,6.86 IC8.40
  Rückseite w0.203: IC8.40 73.53,5.7 88.61,5.7 89.76,6.85 89.76,9.27 92.9,12.42 92.9,19.22 96.84,23.16 96.84,29.15 103.12,35.42 103.12,39.86 102.03,40.95 102.03,42.11 102.78,42.86 103.8,42.86 104.5,43.56 104.5,44.58 110.74,50.82 110.74,60.31 112.51,62.09 112.51,69.2 IC13.11 111.8,70.8 111.8,87.45 114.47,90.12 127.69,90.12 IC6.15 ; 92.9,17.12 92.9,17.26
/DB4: length 304.2
  Vorderseite w0.203: IC6.14 136.83,89.71 147.51,89.71 149.06,88.17 155.15,88.17 156.82,86.49 156.82,13.46 155.45,12.09 154.56,12.09 153.37,10.9 153.37,10.13 147.21,3.98 96.48,3.98 96.48,3.97 94.99,3.97 94.99,3.98 93.43,3.98 88.77,8.64 88.77,9.95 88.16,10.55 87.06,10.55 85.9,9.4 IC8.39 71.21,10.55 51.94,10.55 IC11.39 49.62,10.55 43.88,10.55 43.52,10.2 29.99,10.2 IC9.39 24.55,9.4 23.39,10.55 8.76,10.55 IC12.39
  Rückseite w0.203: IC6.14 132.17,94.37 127.7,94.37 126.87,93.54 126.87,92.66 125.35,91.15 114.21,91.15 110.89,87.83 110.89,73.17 108.82,71.1 IC13.12
/DB5: length 221.5
  Vorderseite w0.203: v1(108.95,89.91) 108.95,91.34 113.7,96.08 119.73,96.08 120.53,95.28 121.24,95.28 121.24,95.29 140.59,95.29 142.11,93.77 142.11,92.66 141.5,92.06 137.03,92.06 136.19,92.89 ; v1(42.37,12.49) 29.75,12.49 IC9.38 28.39,12.74 23.75,12.74 23.39,13.09 8.76,13.09 IC12.38 ; IC11.38 60.45,11.94 61.72,13.21 71.1,13.21 IC8.38
  Rückseite w0.203: IC8.38 73.75,10.55 87.94,10.55 89.12,11.74 89.12,13.76 ; 89.12,11.82 89.12,13.76 ; 89.12,13.76 89.23,13.87 89.23,17.5 95.47,23.74 95.47,33.6 95.5,33.62 95.5,47.47 98.04,50.01 98.04,51.63 98.87,52.46 100.65,52.46 101.11,52.92 101.65,52.92 103.26,54.54 103.26,59.53 104.89,61.16 104.89,68.97 IC13.13 107.89,71.97 108.4,71.97 109.97,73.55 109.97,88.89 v1(108.95,89.91) ; IC11.38 49.62,13.09 42.97,13.09 v1(42.37,12.49)
/DB6: length 197.2
  Vorderseite w0.203: IC12.3 23.5,11.94 24.71,10.73 33.01,10.73 33.97,11.69 44.18,11.69 IC9.3 49.07,11.94 50.23,10.78 51.33,10.78 51.56,11.01 65.09,11.01 IC11.3 70.73,11.94 71.89,10.78 86.45,10.78 IC8.3 ; 134.71,94.37 132.78,94.37 132.17,93.77 132.17,92.89 129,89.71 119.97,89.71 115.44,85.19 115.44,81.24 114.84,80.64 113.52,80.64 109.82,84.33 v1(107.68,84.33) ; 134.71,94.37 136.73,94.37 137.89,93.22 IC6.12 ; 134.71,94.37 134.46,94.37
  Rückseite w0.203: IC8.3 88.66,12.99 88.66,13.95 88.77,14.05 88.77,17.68 94.93,23.84 94.93,33.24 93.19,34.98 93.19,59.48 94.37,60.67 94.94,60.67 95.37,61.1 98.96,61.1 99.98,60.08 100.73,60.08 102.35,61.7 102.35,68.97 IC13.14 104.18,70.36 107.66,73.85 107.66,77.94 108.47,78.74 108.47,79.51 107.66,80.32 107.66,84.32 v1(107.68,84.33)
